# Altium PCB old PT1000_16CH.PCBDOC (part 3 of 5)
Units mil, origin at the board's own origin, x right, y up, seen from the top; angles counter-clockwise.
Board outline 8409.08 x 3937.01 mil, 4 copper layers (TOP, G1, L2, BOT), stack 61.024 mil thick; 557 components, 501 nets, 2175 pads, 416 vias.
Unrouted connection lines stored in the file: 636.
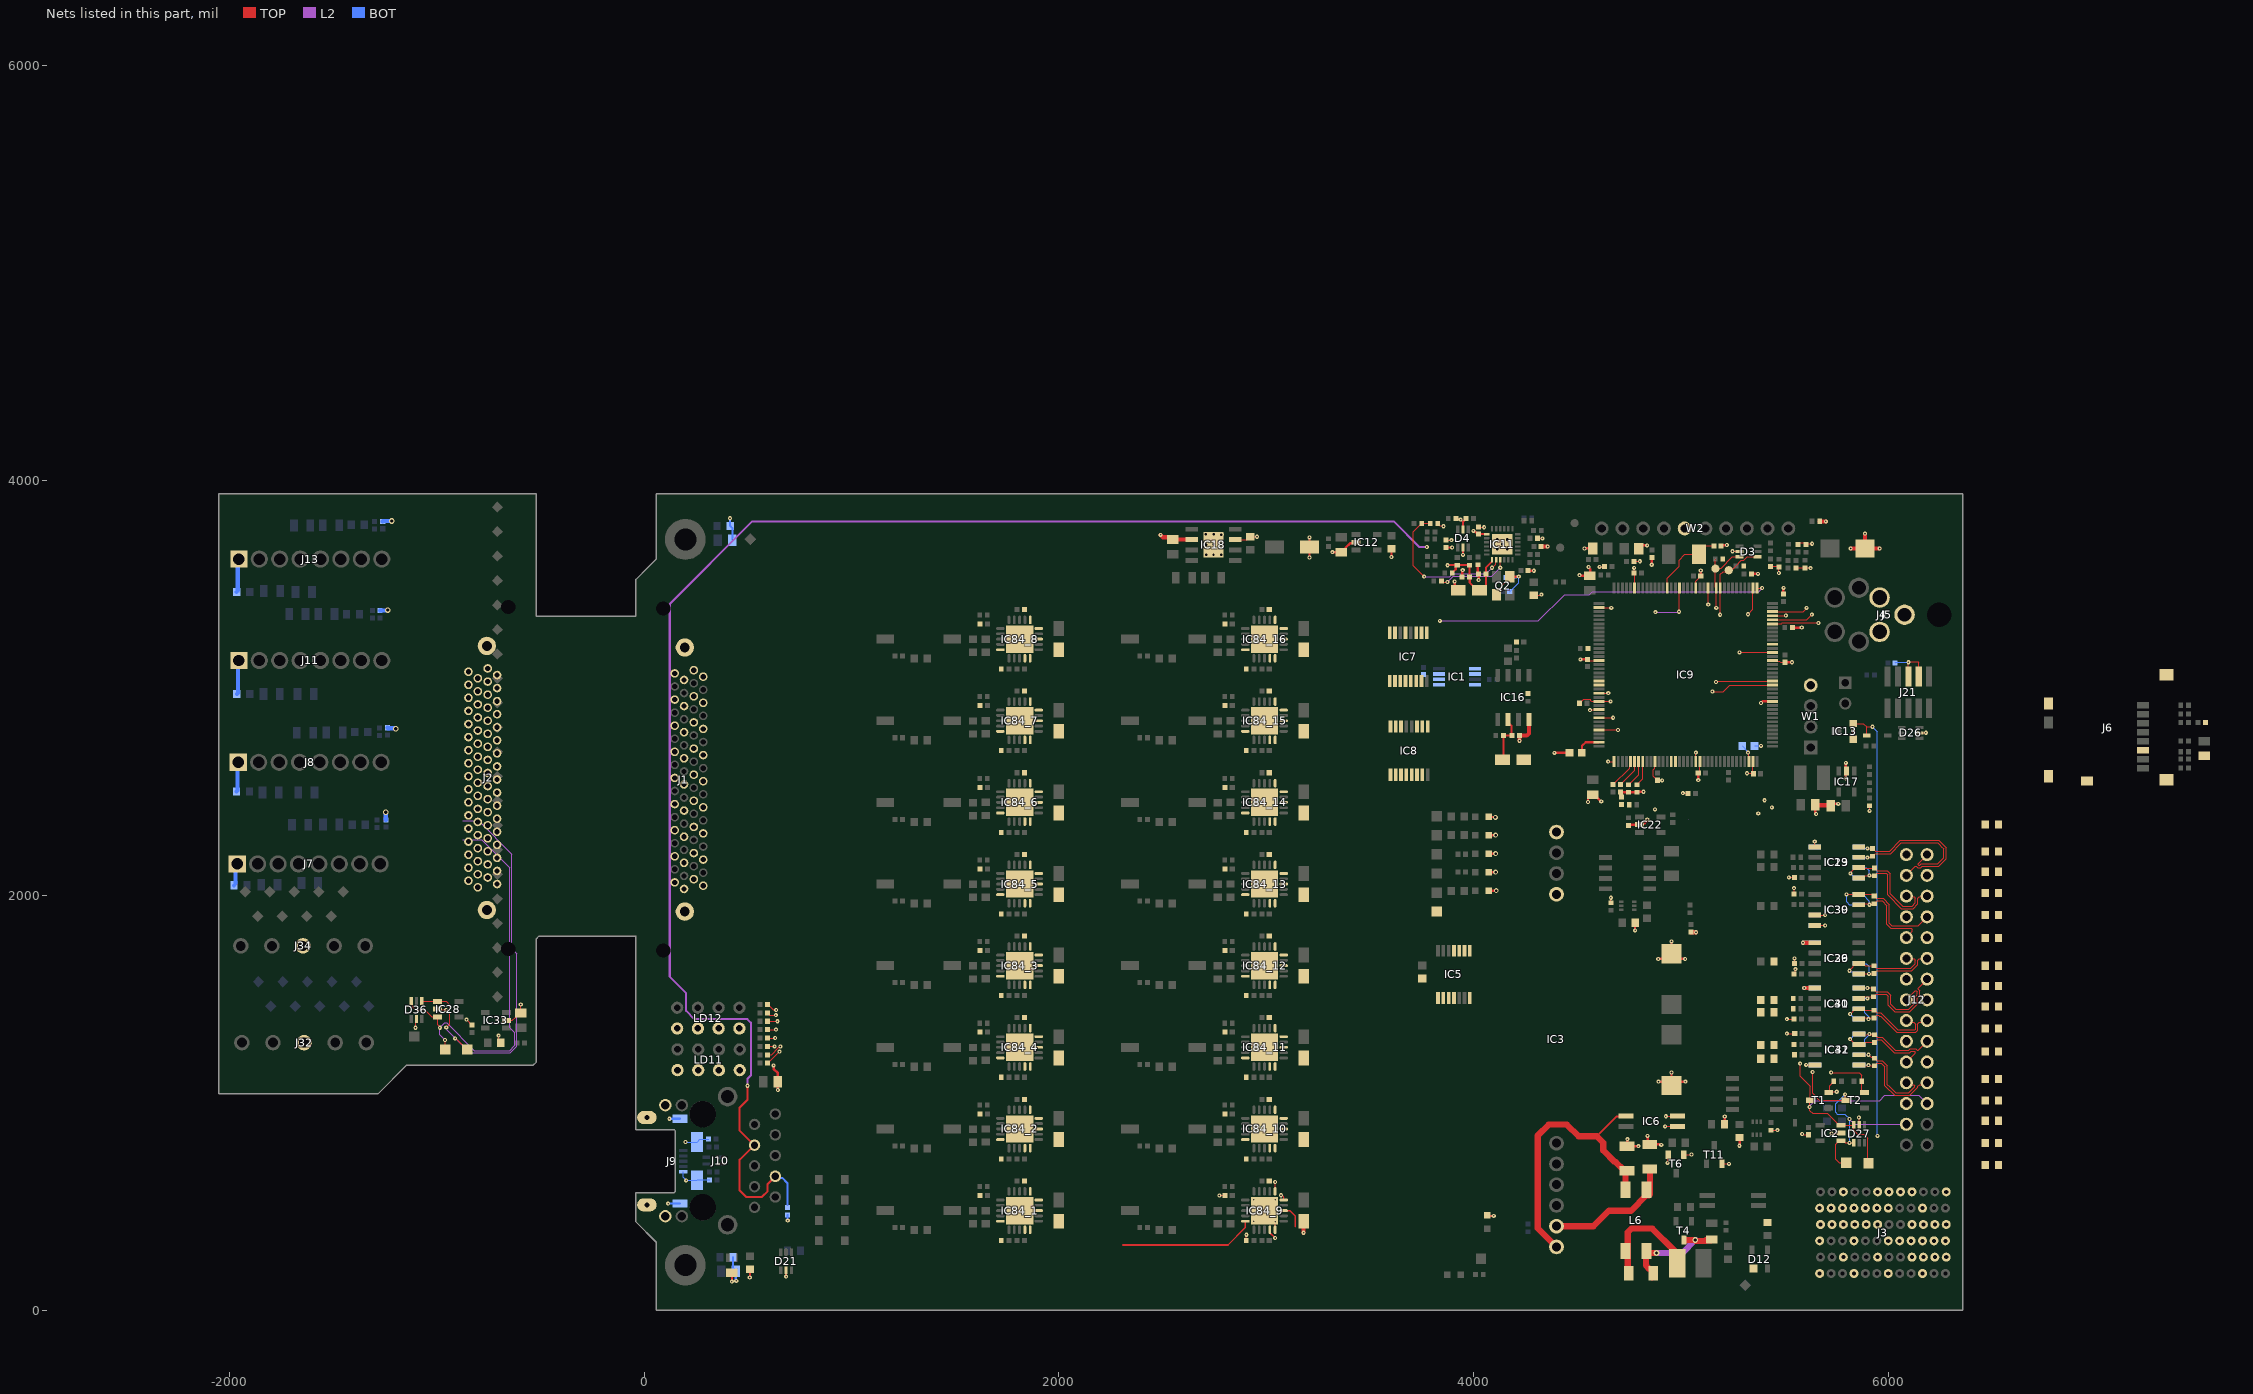
[diagram p5: the nets of this part, all layers, seen from the top]

## Part data (continued)
R86: library part R0603_200R_1%_0.1W_100PPM, "Resistor - 1%", Case=0603, Manufacturer=GENERIC, Manufacturer1 ComponentHeight=0.55mm, Manufacturer1 Example="NIC COMPONENT", Manufacturer1 Part Number=NRC06F2000TRF, Power=0.1W, Tolerance=±1%, Author="CERN DEM JLC", Component Type=Standard, CreateDate=03.12.2007, HelpURL=\\cern.ch\dfs\Applications\Altium\Datasheets\R0603_NIC_NRC.pdf, LatestRevisionDate=13.03.2008, Manufacturer Part Number=R0603_200R_1%_0.1W_100PPM, Mounted=Yes, Part Description="General Purpose Thick Film Chip Resistor", Part Number=R0603_200R_1%_0.1W_100PPM, Pin Count=2, PressFit=No, Sense=No, SMD=Yes, Socket=No, Status=Preferred, TC=±100ppm/°C
R98: library part R0402_1K5_1%_0.0625W_100PPM, "Resistor - 1%", Case=0402, Manufacturer=GENERIC, Manufacturer1 ComponentHeight=0.4mm, Manufacturer1 Example="YAGEO PHYCOMP", Manufacturer1 Part Number=232270671502L, Power=0.0625W, Tolerance=±1%, Author="CERN DEM JLC", Component Type=Standard, CreateDate=03/12/2007, HelpURL=\\cern.ch\dfs\Applications\Altium\Datasheets\R0402_Phycomp_RC0402.pdf, LatestRevisionDate=17/10/2012, Manufacturer Part Number=R0402_1K5_1%_0.0625W_100PPM, Mounted=Yes, Part Description="General Purpose Thick Film Chip Resistor", Part Number=R0402_1K5_1%_0.0625W_100PPM, Pin Count=2, PressFit=No, Sense=No, SMD=Yes, Socket=No, Status="Not Recommended", TC=±100ppm/°C
R102: library part R0402_240K_1%_0.0625W_100PPM, "Resistor - 1%", Case=0402, Manufacturer=GENERIC, Manufacturer1 ComponentHeight=0.4mm, Manufacturer1 Example="YAGEO PHYCOMP", Manufacturer1 Part Number=232270672404L, Power=0.0625W, Tolerance=±1%, Author="CERN DEM JLC", Component Type=Standard, CreateDate=03.12.2007, HelpURL=\\cern.ch\dfs\Applications\Altium\Datasheets\R0402_Phycomp_RC0402.pdf, LatestRevisionDate=17.10.2012, Manufacturer Part Number=R0402_240K_1%_0.0625W_100PPM, Mounted=Yes, Part Description="General Purpose Thick Film Chip Resistor", Part Number=R0402_240K_1%_0.0625W_100PPM, Pin Count=2, PressFit=No, Sense=No, SMD=Yes, Socket=No, Status="Not Recommended", TC=±100ppm/°C
R104: library part R0402_2K_1%_0.0625W_100PPM, "Resistor - 1%", Case=0402, Manufacturer=GENERIC, Manufacturer1 ComponentHeight=0.4mm, Manufacturer1 Example="YAGEO PHYCOMP", Manufacturer1 Part Number=232270672002L, Power=0.0625W, Tolerance=±1%, Author="CERN DEM JLC", Component Type=Standard, CreateDate=03.12.2007, HelpURL=\\cern.ch\dfs\Applications\Altium\Datasheets\R0402_Phycomp_RC0402.pdf, LatestRevisionDate=17.10.2012, Manufacturer Part Number=R0402_2K_1%_0.0625W_100PPM, Mounted=Yes, Part Description="General Purpose Thick Film Chip Resistor", Part Number=R0402_2K_1%_0.0625W_100PPM, Pin Count=2, PressFit=No, Sense=No, SMD=Yes, Socket=No, Status="Not Recommended", TC=±100ppm/°C
R108 R109 R110 R111 R112 R113 R114 R115 R116 R117 R118 R122 R123 R131 R173 R174 R175: library part R0402_100R_1%_0.0625W_100PPM, "Resistor - 1%", Case=0402, Manufacturer=GENERIC, Manufacturer1 ComponentHeight=0.4mm, Manufacturer1 Example="YAGEO PHYCOMP", Manufacturer1 Part Number=232270671001L, Power=0.0625W, Tolerance=±1%, Author="CERN DEM JLC", Component Type=Standard, CreateDate=03.12.2007, HelpURL=\\cern.ch\dfs\Applications\Altium\Datasheets\R0402_Phycomp_RC0402.pdf, LatestRevisionDate=17.10.2012, Manufacturer Part Number=R0402_100R_1%_0.0625W_100PPM, Mounted=Yes, Part Description="General Purpose Thick Film Chip Resistor", Part Number=R0402_100R_1%_0.0625W_100PPM, Pin Count=2, PressFit=No, Sense=No, SMD=Yes, Socket=No, Status="Not Recommended", TC=±100ppm/°C
R157 R158 R159 R160 R163 R164 R165 R167 R168 R169 R171 R172 R176 R177 R178 R179: library part R0805_5K_0.01%_0.2W_0.2PPM_VISHAY_VSMP, "Resistor - 0.01%", Case=0805, Manufacturer="VISHAY PRECISION", Manufacturer1 ComponentHeight=0.64mm, Manufacturer Part Number=Y16245K00000T9R, Power=0.2W, Tolerance=±0.01%, Author="CERN DEM JLC", Component Type=Standard, CreateDate=22.09.2011, HelpURL=\\cern.ch\dfs\Applications\Altium\Datasheets\R0805_VISHAY_VSMP.pdf, LatestRevisionDate=22.09.2011, Mounted=Yes, Part Description="Ultra High Precision Foil Wraparound Surface Mount Chip Resistor", Part Number=R0805_5K_0.01%_0.2W_0.2PPM_VISHAY_VSMP, Pin Count=2, PressFit=No, Sense=No, SMD=Yes, Socket=No, Status=None, TC=±0.2ppm/°C
R348_1 R348_2 R348_3 R348_4 R348_5 R348_6 R348_7 R348_8 R348_9 R348_10 R348_11 R348_12 R348_13 R348_14 R348_15 R348_16: library part RES_0603_442R_0.1%_25ppm, "Resistor - 0.1%", Case=0603, Manufacturer=GENERIC, Manufacturer1 ComponentHeight=0.5mm, Manufacturer1 Example="TYCO HOLSWORTHY", Manufacturer1 Part Number=RP73PF1J442RBTDF, Manufacturer Part Number=R0603_442R_0.1%_0.063W_25PPM, Power=0.063W, Tolerance=±0.1%, Author=GK, Component Type=Standard, CreateDate=03.12.2007, HelpURL=\\cern.ch\dfs\Applications\Altium\Datasheets\R0603_Tyco_RN73.pdf, LatestRevisionDate=13.03.2008, Mounted=Yes, Part Description="Thin Film Chip Resistor", Part Number=R0603_442R_0.1%_0.063W_25PPM, Pin Count=2, PressFit=No, Sense=No, SMD=Yes, Socket=No, Status="Not Recommended", TC=±25ppm
R349_1 R349_2 R349_3 R349_4 R349_5 R349_6 R349_7 R349_8 R349_9 R349_10 R349_11 R349_12 R349_13 R349_14 R349_15 R349_16: library part R0402_22K_1%_0.0625W_100PPM, "Resistor - 1%", Case=0402, Manufacturer=GENERIC, Manufacturer1 ComponentHeight=0.4mm, Manufacturer1 Example="YAGEO PHYCOMP", Manufacturer1 Part Number=232270672203L, Power=0.0625W, Tolerance=±1%, Author="CERN DEM JLC", Component Type=Standard, CreateDate=03.12.2007, HelpURL=\\cern.ch\dfs\Applications\Altium\Datasheets\R0402_Phycomp_RC0402.pdf, LatestRevisionDate=17.10.2012, Manufacturer Part Number=R0402_22K_1%_0.0625W_100PPM, Mounted=Yes, Part Description="General Purpose Thick Film Chip Resistor", Part Number=R0402_22K_1%_0.0625W_100PPM, Pin Count=2, PressFit=No, Sense=No, SMD=Yes, Socket=No, Status="Not Recommended", TC=±100ppm/°C
R350_1 R350_2 R350_3 R350_4 R350_5 R350_6 R350_7 R350_8 R350_9 R350_10 R350_11 R350_12 R350_13 R350_14 R350_15 R350_16: library part RES_0603_3k9_0.1%_10ppm, "Resistor - 0.1%", Case=0603, Manufacturer=GENERIC, Manufacturer1 ComponentHeight=0.5mm, Manufacturer1 Example=Panasonic, Manufacturer1 Part Number=ERA3ARB392V, Manufacturer Part Number=R0603_3k9_0.1%_0.063W_10PPM, Power=0.063W, Tolerance=±0.1%, Author=GK, Component Type=Standard, CreateDate=03.12.2007, HelpURL=\\cern.ch\dfs\Applications\Altium\Datasheets\R0603_Tyco_RN73.pdf, LatestRevisionDate=13.03.2008, Mounted=Yes, Part Description="Thin Film Chip Resistor", Part Number=R0603_3k9_0.1%_0.063W_10PPM, Pin Count=2, PressFit=No, Sense=No, SMD=Yes, Socket=No, Status="Not Recommended", TC=±10ppm
R351_1 R351_2 R351_3 R351_4 R351_5 R351_6 R351_7 R351_8 R351_9 R351_10 R351_11 R351_12 R351_13 R351_14 R351_15 R351_16: library part R0603_10M_1%_0.1W_100PPM, "Resistor - 1%", Case=0603, Manufacturer=GENERIC, Manufacturer1 ComponentHeight=0.55mm, Manufacturer1 Example=VISHAY, Manufacturer1 Part Number=CRCW060310M0FKEA, Power=0.1W, Tolerance=±1%, Author="CERN DEM JLC", Component Type=Standard, CreateDate=12.01.2017, HelpURL="\\cern.ch\dfs\Applications\Altium\Datasheets\R0603_VISHAY_CRCW e3.pdf", LatestRevisionDate=12.01.2017, Manufacturer Part Number=R0603_10M_1%_0.1W_100PPM, Mounted=Yes, Part Description="General Purpose Thick Film Chip Resistor", Part Number=R0603_10M_1%_0.1W_100PPM, Pin Count=2, PressFit=No, Sense=No, SMD=Yes, Socket=No, Status=Preferred, TC=±100ppm/°C
ST1: library part SCHROFF_PANEL_3U_4HP_Thermostat, "Schroff 3HP 4U EUROCARD Panel", Manufacturer=Schroff, Manufacturer Part Number=20818-017, Manufacturer Part Number 2=20848-664
SW1_1 SW1_2 SW1_3 SW1_4 SW1_5 SW1_6 SW1_7 SW1_8 SW1_9 SW1_10 SW1_11 SW1_12 SW1_13 SW1_14 SW1_15 SW1_16: library part SW_OMRON_A6SN-1101, "1 Ways SPST DIP Switch", Manufacturer=OMRON, Manufacturer Part Number=A6SN-1101, Author="CERN DEM JLC", Component Type=Standard, ComponentHeight=4.6mm, CreateDate=25.02.2013, Family=Switch, HelpURL=\\cern.ch\dfs\Applications\Altium\Datasheets\SW_OMRON_A6SN-1101.pdf, LatestRevisionDate=25.02.2013, Mounted=Yes, PackageDescription="Body 4.48x7.5mm, 1 Way SPST Surface-Mounting Slide Switch With Flat Actuator (A6SN Series)", Part Description="1 Way SPST Surface-Mounting Slide Switch With Flat Actuator, Contact Rating 25mA 24VDC", Part Number=SW_OMRON_A6SN-1101, Pin Count=2, PressFit=No, Sense=No, SMD=Yes, Socket=No, Status=None
T1 T2 T4 T6 T11: "N-CHANNEL MOSFET WITH DIODE", Case=SOT23-3, Manufacturer="ON SEMICONDUCTOR", Bonding=No, Component Type=Standard, Mounted=Yes, Pin Count=3, PressFit=No, Sense=No, SMD=Yes, Socket=No
  T1 T2 T6 T11: Author="CERN DEM JLC", ComponentHeight=1.11mm, CreateDate=23.03.2009, Device=BSS138LT1G, HelpURL=\\cern.ch\dfs\Applications\Altium\Datasheets\BSS138LT1G.pdf, LatestRevisionDate=23.03.2009, Manufacturer Part Number=BSS138LT1G, PackageDescription="SOT23 3-Leads, Pitch 0.95mm - Body 1.4x3mm, IPC Medium Density", Part Description="50V 200mA N-Channel Enhancement Mode Field-Effect Transistor", Part Number=BSS138LT1G
  T4: Author="CERN DEM BC", ComponentHeight=1.12mm, ComponentLink1Description="Package Drawing", ComponentLink1URL=\\cern.ch\dfs\Applications\Altium\Datasheets\FDN86246_Package.pdf, CreateDate=10.10.2019, Device=FDN86246, HelpURL=\\cern.ch\dfs\Applications\Altium\Datasheets\FDN86246.pdf, LatestRevisionDate=10.10.2019, Manufacturer Part Number=FDN86246, PackageDescription="SOT, 0.95mm, pitch; 3 pin,1.30mm W X 2.92mm L X 1.12mm H body, IPC Medium Density", Part Description="150V 1.6A N-Channel Power Trench® MOSFET", Part Number=FDN86246
T3 T9: "-30V -19.7A P-Channel MOSFET", Case=SOIC8, Manufacturer="VISHAY SILICONIX", Author="CERN DEM MR", Bonding=No, Component Type=Standard, ComponentHeight=1.75mm, CreateDate=05/10/2016, Device=SI4425DDY-T1-GE3, HelpURL=\\cern.ch\dfs\Applications\Altium\Datasheets\SI4425DDY-T1-GE3.pdf, LatestRevisionDate=05/10/2016, Manufacturer Part Number=SI4425DDY-T1-GE3, Mounted=Yes, PackageDescription="SOIC 8, Pitch 1.27mm - Body 4x5mm, IPC Medium Density", Part Description="-30V -19.7A P-Channel MOSFET", Part Number=SI4425DDY-T1-GE3, Pin Count=8, PressFit=No, Sense=No, SMD=Yes, Socket=No
T5 T10: "45V, 100mA PNP General Purpose Double Transistor", Case=SOT666, Manufacturer="NXP SEMICONDUCTORS", Author="CERN DEM JLC", Bonding=No, Component Type=Standard, ComponentHeight=0.6mm, CreateDate=01/12/2011, Device=BC857BV, HelpURL=\\cern.ch\dfs\Applications\Altium\Datasheets\BC857BV.pdf, LatestRevisionDate=01/12/2011, Manufacturer Part Number=BC857BV, Mounted=Yes, PackageDescription="SOTFL (SOT666), 0.50mm, Pitch; 6 Pin, 1.20mm W X 1.60mm L X 0.60mm H Body, IPC Medium Density", Part Description="-45V -100mA PNP General Purpose Double Transistor", Part Number=BC857BV, Pin Count=6, PressFit=No, Sense=No, SMD=Yes, Socket=No
TP1 TP2 TP3 TP4 TP5 TP6 TP7 TP8 TP9 TP10 TP11 TP15: library part SMD_PAD_1.27X1.27MM, Author="CERN DEM JLC", Component Type="Standard (No BOM)", ComponentHeight=0mm, CreateDate=12.01.2008, Family="Test Point", HelpURL=Undefined, LatestRevisionDate=12.01.2008, Mounted=No, PackageDescription="1.27mm x 1.27mm PCB Copper Area (SMD Test Point)", Part Description="1.27mm x 1.27mm PCB Copper Area (SMD Test Point)", Part Number=SMD_PAD_1.27X1.27MM, Pin Count=1, Sense=No, SMD=Yes, Socket=No, Status=None
W1: library part SAMTEC_HTSW-104-23-L-S, "4 Mini Wire-Wrap Contact Strip Header", Manufacturer=SAMTEC, Manufacturer Part Number=HTSW-104-23-L-S, Author="CERN DEM JLC", ComponentHeight=8.38mm, Component Type=Standard, CreateDate=22/02/2018, Family="Header 4", HelpURL=\\cern.ch\dfs\Applications\Altium\Datasheets\SAMTEC_HTSW-104-23-L-S.pdf, LatestRevisionDate=22/02/2018, Mounted=Yes, Part Description="4 Contacts, Pitch 2.54mm, Single Row  Through Mount Straight Header (Post Lead 5.84mm, Tail Lead 2.92mm, Insulator 2.54mm)", Part Number=SAMTEC_HTSW-104-23-L-S, Pin Count=4, PressFit=No, Sense=No, SMD=No, Socket=No, Status=Preferred, Status Comment="High Temperature"
W2: library part SAMTEC_MTLW-110-07-L-S-250, "10 Mini Wire-Wrap Contact Strip Header", Manufacturer=SAMTEC, Manufacturer Part Number=MTLW-110-07-L-S-250, Author="CERN DEM JLC", ComponentHeight=7.87mm, Component Type=Standard, CreateDate=01.11.2017, Family="Header 10", HelpURL=\\cern.ch\dfs\Applications\Altium\Datasheets\SAMTEC_MTLW-110-07-L-S-250.pdf, LatestRevisionDate=01.11.2017, Mounted=Yes, Part Description="10 Contacts, Pitch 2.54mm, Single Row Through Mount Straight Header (Post Lead = 6.35mm, Tail Lead 3.05mm, Insulator 1.52mm)", Part Number=SAMTEC_MTLW-110-07-L-S-250, Pin Count=10, PressFit=No, Sense=No, SMD=No, Socket=No, Status=None

## Free pads (board coordinates)
  rect 39.37x39.37 smd rot 45 paste-23.62 mask+0: BAL(-1922.36,2017.28) BAL(-1863.31,1899.17) BAL(-1804.25,2017.28) BAL(-1745.2,1899.17) BAL(-1686.14,2017.28) BAL(-1627.09,1899.17) BAL(-1568.03,2017.28) BAL(-1508.98,1899.17) BAL(-1449.92,2017.28)
  rect 39.37x39.37 on Mid1 rot 45 paste-23.62 mask+0: BAL(-1894.8,1566.5) BAL(-1894.8,2014.85) BAL(-1835.75,1448.39) BAL(-1835.75,1896.74) BAL(-1776.69,1566.5) BAL(-1776.69,2014.85) BAL(-1717.64,1448.39) BAL(-1717.64,1896.74) BAL(-1658.58,1566.5) BAL(-1658.58,2014.85) BAL(-1599.53,1448.39) BAL(-1599.53,1896.74) BAL(-1540.47,1566.5) BAL(-1540.47,2014.85) BAL(-1481.42,1448.39) BAL(-1481.42,1896.74) BAL(-1422.36,1566.5) BAL(-1422.36,2014.85) BAL(-1363.31,1448.39) BAL(-1304.25,1566.5) BAL(-1245.2,1448.39)
  rect 39.37x39.37 smd far side rot 45 paste-23.62 mask+0: BAL(-1859.24,1583.48) BAL(-1800.19,1465.37) BAL(-1741.13,1583.48) BAL(-1682.08,1465.37) BAL(-1623.02,1583.48) BAL(-1563.97,1465.37) BAL(-1504.91,1583.48) BAL(-1445.86,1465.37) BAL(-1386.8,1583.48) BAL(-1327.75,1465.37)
  rect 39.37x39.37 on Mid1 rot 135 paste-23.62 mask+0: BAL(-781.06,3485.12) BAL(-781.06,3603.23) BAL(-781.06,3721.34) BAL(-626.72,2320.75) BAL(-626.72,2438.86) BAL(-626.72,2556.97) BAL(-626.72,2675.08) BAL(-626.72,2793.19) BAL(-626.72,2911.3) BAL(-626.72,3029.41) BAL(-626.72,3147.52) BAL(-626.72,3265.63) BAL(-626.72,3383.74) BAL(-626.72,3501.85) BAL(-626.72,3619.96) BAL(-626.72,3738.07) BAL(-626.72,3856.18)
  rect 39.37x39.37 smd rot 135 paste-23.62 mask+0: BAL(-706.69,1628.94) BAL(-706.69,1747.05) BAL(-706.69,1865.16) BAL(-706.69,2101.38) BAL(-706.69,2219.49) BAL(-706.69,2337.6) BAL(-706.69,2573.82) BAL(-706.69,2691.93) BAL(-706.69,2810.04) BAL(-706.69,2928.15) BAL(-706.69,3164.37) BAL(-706.69,3282.48) BAL(-706.69,3400.59) BAL(-706.69,3636.81) BAL(-706.69,3754.92) BAL(-706.69,3873.03) BAL(-706.69,1510.83) BAL(-706.69,1983.27) BAL(-706.69,2455.71) BAL(-706.69,3046.26) BAL(-706.69,3518.7)

## Via types
v1: diameter 19.68, hole 7.87, TOP to BOT, tented both sides, 335 vias
v2: diameter 27.56, hole 15.75, TOP to BOT, tented both sides, 56 vias
v3: diameter 23.62, hole 11.81, TOP to BOT, 10 vias
v4: diameter 19.68, hole 7.87, TOP to BOT, 5 vias
v5: diameter 23.62, hole 11.81, TOP to BOT, tented both sides, 5 vias
v6: diameter 25.98, hole 12.99, TOP to BOT, tented both sides, 5 vias

## Nets (pads, with @x,y where several pads share a name; then routed paths per layer and width w, separated by ;. In a path a pad name is that pad's centre, name@x,y a point inside that pad or via, vN(x,y) a via of type N, cw(c..) or ccw(c..) an arc to the next point about the centre after c; other vN are vias at no path point)
AFE_SCL: B15.1 D3.3 IC9.11 J1.68 R61.2 | length 367.8
  TOP w5: 5165.12,3622.6 5166.61,3621.11 B15.1@5166.61,3585.83 ; v1(5170.58,3386.79) 5170.48,3386.89 5170.48,3481.93 5166.61,3485.81 B15.1@5166.61,3576.24 5169.35,3578.98 5193.79,3578.98 5247.69,3632.87 5256.28,3632.87 D3.3@5282.48,3632.87
AFE_SDA: B14.1 D3.4 IC9.10 J1.34 R53.2 | length 409.6
  TOP w5: v1(5189.35,3353.73) 5189.71,3354.09 5189.71,3481.67 IC9.10@5190.07,3482.03 5190.07,3547.89 5203.89,3561.71 5224.36,3561.71 5237.51,3574.86 5251.73,3574.86 5265.85,3588.98 5265.85,3590.55 5291.37,3616.07 5302.86,3616.07 5319.66,3632.87 D3.4@5369.09,3632.87
AT_EVENT: IC6.4 R67.1 | length 56.5
  TOP w5: v1(4927.56,935.27) 4928.77,936.48 IC6.4@4983.57,936.48
AVDDT_PHY: C77.1 C79.1 C80.2 C81.2 C85.2 C88.2 D4.5 IC11.1 IC11.19 J10.4 J10.7 L7.1 R12.2 R15.2 R18.1 R19.1 | length 8184.8
  TOP w10: v1(498.77,1082.52) 498.77,1014.99 461.11,977.33 461.11,866.07 J10.7@531.32,795.87 ; J10.4@633.04,645.87 595.85,608.68 595.85,574.2 567.52,545.87 492.54,545.87 461.11,577.3 461.11,725.66 J10.7@531.32,795.87 ; C80.2@3868.17,3678.07 v1(3896.99,3678.07) ; v1(3875,3592.52) 3875.1,3592.62 3920.6,3592.62 3914.28,3586.3 3914.28,3572.53 3897.27,3555.51 L7.1@3897.27,3555.12 ; R18.1@3921.48,3592.72 R19.1@3979.9,3592.72 3980,3592.61 3980,3535.53 3981.72,3533.82 3981.72,3508.23 4018.49,3471.46 4040.15,3471.46 4059.75,3491.06 4059.75,3516.99 4059.83,3517.07 4059.83,3580.51 4088.85,3609.53 4088.85,3617.6 IC11.1@4089.36,3618.11 ; R12.2@3921.48,3815.1 3922.19,3814.4 3936.15,3814.4 v1(3938,3812.54) ; v1@3936.15,3809.8 3941.59,3809.8 3949.2,3802.19 ; D4.5@3949.2,3764.96 3949.2,3802.19 ; R15.2@3963.22,3817 3963.22,3816.21 3949.2,3802.19 ; v1(3999.02,3758.48) 4001.64,3758.48 4010.82,3749.3 4017.19,3749.3 C79.1@4024.4,3742.09 IC11.19@4063.77,3742.13 ; J10.7@531.32,795.87 J10.7@533.04,795.87 J10.7@531.32,795.87
  L2 w10: v1(498.77,1082.52) 498.77,1115.38 515.41,1132.01 515.41,1386.4 498.48,1403.33 243.11,1403.33 202.99,1443.45 202.99,1529.29 124.02,1608.27 124.02,3405.63 522.52,3804.13 3615.39,3804.13 3739.48,3680.05 3774.25,3680.05 v1(3774.82,3680.62)
  BOT w10: J10.4@633.04,645.87 640.47,638.43 665.8,638.43 692.02,612.2 692.02,507.66
B_FORCE_N0: J2.5
B_FORCE_N1: J2.9
B_FORCE_N2: J2.13
B_FORCE_N3: J2.17
B_FORCE_N4: J2.21
B_FORCE_N5: J2.25
B_FORCE_N6: J2.29
B_FORCE_N7: J2.33
B_FORCE_N08: J2.39
B_FORCE_N09: J2.43
B_FORCE_N10: J2.47
B_FORCE_N11: J2.51
B_FORCE_N12: J2.55
B_FORCE_N13: J2.59
B_FORCE_N14: J2.63
B_FORCE_N15: J2.67
B_FORCE_P0: J2.2
B_FORCE_P1: J2.6
B_FORCE_P2: J2.10
B_FORCE_P3: J2.14
B_FORCE_P4: J2.18
B_FORCE_P5: J2.22
B_FORCE_P6: J2.26
B_FORCE_P7: J2.30
B_FORCE_P08: J2.36
B_FORCE_P09: J2.40
B_FORCE_P10: J2.44
B_FORCE_P11: J2.48
B_FORCE_P12: J2.52
B_FORCE_P13: J2.56
B_FORCE_P14: J2.60
B_FORCE_P15: J2.64
B_RTDIN_N0: J2.4
B_RTDIN_N1: J2.8
B_RTDIN_N2: J2.12
B_RTDIN_N3: J2.16
B_RTDIN_N4: J2.20
B_RTDIN_N5: J2.24
B_RTDIN_N6: J2.28
B_RTDIN_N7: J2.32
B_RTDIN_N08: J2.38
B_RTDIN_N09: J2.42
B_RTDIN_N10: J2.46
B_RTDIN_N11: J2.50
B_RTDIN_N12: J2.54
B_RTDIN_N13: J2.58
B_RTDIN_N14: J2.62
B_RTDIN_N15: J2.66
B_RTDIN_P0: J2.3
B_RTDIN_P1: J2.7
B_RTDIN_P2: J2.11
B_RTDIN_P3: J2.15
B_RTDIN_P4: J2.19
B_RTDIN_P5: J2.23
B_RTDIN_P6: J2.27
B_RTDIN_P7: J2.31
B_RTDIN_P08: J2.37
B_RTDIN_P09: J2.41
B_RTDIN_P10: J2.45
B_RTDIN_P11: J2.49
B_RTDIN_P12: J2.53
B_RTDIN_P13: J2.57
B_RTDIN_P14: J2.61
B_RTDIN_P15: J2.65
BB_SCL: D36.4 IC28.1 TP5.1 | length 1987.7
  TOP w5: D36.4@-1071.69,1491.14 -1069.72,1489.17 IC28.1@-994.92,1489.17 -954.9,1489.17 -937.08,1471.35 -937.08,1380.11 -951.49,1365.7 -951.82,1365.7 v1(-953.8,1363.72) ; v1(-911,1311) -907.3,1311 TP5.1@-853.19,1256.89
  L2 w5: v1(-953.8,1363.72) -952.03,1363.72 -949.1,1360.79 -949.1,1349.1 v1(-911,1311) -842.25,1242.25 -644.19,1242.25 -613.92,1272.51 -613.92,1718.42 -637,1741.5 -637,2199 -797.38,2359.38 -874.82,2359.38
BB_SDA: D36.6 IC28.3 TP4.1 | length 1930.7
  TOP w5: D36.6@-1122.87,1491.14 -1117.5,1485.77 -1117.5,1464.2 -1101.92,1448.62 -1057.74,1448.62 -1023.49,1414.37 IC28.3@-994.92,1414.37 -994.92,1376.21 -984.4,1365.7 v1(-984.4,1362.2) ; v1(-959.78,1303.29) -958.5,1302.01 TP4.1@-958.5,1256.89
  L2 w5: v1(-959.78,1303.29) -984.4,1327.91 v1(-984.4,1362.2) -961.61,1385 -950.56,1385 -817.81,1252.25 -648.33,1252.25 -623.92,1276.65 -623.92,1338.3 -647,1361.38 -647,2134 -782.22,2269.22 -874.82,2269.22
BGA0: J3.C3
BGA1: J3.F3
BGA2: J3.I3
BGA3: J3.L3
BP_I2C.SCL: IC5.8 IC5.11 J3.B2
BP_I2C.SDA: IC5.1 IC5.4 J3.C2
BP_IO.LVDS_N0: J3.E3 R47.1
BP_IO.LVDS_N1: J3.B3 R49.1
BP_IO.LVDS_N2: J3.C4 R51.1
BP_IO.LVDS_N3: J3.L4 R55.1
BP_IO.LVDS_N4: J3.I4 R57.1
BP_IO.LVDS_N5: J3.K5 R59.1
BP_IO.LVDS_N6: J3.H5 R71.1
BP_IO.LVDS_N7: J3.F6 R74.1
BP_IO.LVDS_P0: J3.D3 R45.1
BP_IO.LVDS_P1: J3.A3 R48.1
BP_IO.LVDS_P2: J3.B4 R50.1
BP_IO.LVDS_P3: J3.K4 R52.1
BP_IO.LVDS_P4: J3.H4 R56.1
BP_IO.LVDS_P5: J3.J5 R58.1
BP_IO.LVDS_P6: J3.G5 R60.1
BP_IO.LVDS_P7: J3.E6 R72.1
CPU_RESETn: D5.1 IC9.13 IC13.2 T6.1 | length 2241.2
  TOP w5: T6.1@5014.38,750.62 v1(5051.35,750.62) ; IC9.13@5131.02,3482.03 5131.45,3481.59 5131.45,3403 v1(5131.89,3402.56) ; IC13.2@5830.26,2829.16 5880.42,2829.16 5895.92,2813.66 ; D5.1@5895.92,2771.89 5895.92,2813.66 ; v1(5923.98,2813.39) 5923.7,2813.66 5895.92,2813.66
  BOT w5: v1(5923.98,2813.39) 5948,2789.36 v1(5948,840.93)
CSN: IC9.73 R40.2 R112.1 | length 54
  TOP w5: v1(4649.48,2645.36) 4649.53,2645.41 IC9.73@4678.26,2645.41 ; R112.1@5547.45,1671.79 5548,1672.33 v1(5548,1696.79)
EEM_GPIO_0: IC9.56 R42.2 R117.1
EEM_GPIO_1: IC9.57 R43.2 R115.1
EEM_GPIO_2: IC9.87 R44.2 R118.1
EEM_GPIO_3: IC9.88 R46.2 R123.1
FORCE_N00: IC84_1.9 J1.5
FORCE_N01: IC84_2.9 J1.9
FORCE_N02: IC84_3.9 J1.13
FORCE_N03: IC84_4.9 J1.17
FORCE_N04: IC84_5.9 J1.21
FORCE_N05: IC84_6.9 J1.25
FORCE_N06: IC84_7.9 J1.29
FORCE_N07: IC84_8.9 J1.33
FORCE_N08: IC84_9.9 J1.39 | length 50.2
  TOP w7.87: IC84_9.9@3017.72,387.8 3017.71,373.88 3043.31,348.29 v1(3043.31,348.15)
FORCE_N09: IC84_10.9 J1.43
FORCE_N10: IC84_11.9 J1.47
FORCE_N11: IC84_12.9 J1.51
FORCE_N12: IC84_13.9 J1.55
FORCE_N13: IC84_14.9 J1.59
FORCE_N14: IC84_15.9 J1.63
FORCE_N15: IC84_16.9 J1.67
FORCE_P00: IC84_1.5 J1.2
FORCE_P01: IC84_2.5 J1.6
FORCE_P02: IC84_3.5 J1.10
FORCE_P03: IC84_4.5 J1.14
FORCE_P04: IC84_5.5 J1.18
FORCE_P05: IC84_6.5 J1.22
FORCE_P06: IC84_7.5 J1.26
FORCE_P07: IC84_8.5 J1.30
FORCE_P08: IC84_9.5 J1.36 | length 656
  TOP w7.87: 2309.05,314.56 2815.8,314.56 2899.61,398.37 IC84_9.5@2899.61,429.13
FORCE_P09: IC84_10.5 J1.40
FORCE_P10: IC84_11.5 J1.44
FORCE_P11: IC84_12.5 J1.48
FORCE_P12: IC84_13.5 J1.52
FORCE_P13: IC84_14.5 J1.56
FORCE_P14: IC84_15.5 J1.60
FORCE_P15: IC84_16.5 J1.64
GND: C1.1 C2.1 C3.2 C4.2 C6.1 C7.1 C9.1 C10.1 C11.2 C17.1 C18.1 C19.2 C21.2 C22.2 C23.2 C24.2 C25.1 C28.1 C29.2 C30.2 C31.2 C32.2 C33.2 C35.2 C36.1 C37.2 C38.2 C64.2 C65.1 C77.2 C78.1 C79.2 C80.1 C81.1 C84.1 C85.1 C87.1 C88.1 C89.2 C91.2 C92.2 C93.2 C94.2 C95.2 C96.2 C97.2 C98.2 C99.2 C100.1 C102.2 C103.2 C108.1 C109.1 C112.2 C113.1 C114.2 C115.1 C126.2 C128.1 C129.1 C130.1 C131.1 C138.1 C139.2 C144.1 C145.1 C146.1 C147.1 C148.1 C151.1 C160.2 C161.2 C224_1.2 C224_2.2 C224_3.2 C224_4.2 C224_5.2 C224_6.2 C224_7.2 C224_8.2 C224_9.2 C224_10.2 C224_11.2 C224_12.2 C224_13.2 C224_14.2 C224_15.2 C224_16.2 C225_1.2 C225_2.2 C225_3.2 C225_4.2 C225_5.2 C225_6.2 C225_7.2 C225_8.2 C225_9.2 C225_10.2 C225_11.2 C225_12.2 C225_13.2 C225_14.2 C225_15.2 C225_16.2 C226_1.1 C226_2.1 C226_3.1 C226_4.1 C226_5.1 C226_6.1 C226_7.1 C226_8.1 C226_9.1 C226_10.1 C226_11.1 C226_12.1 C226_13.1 C226_14.1 C226_15.1 C226_16.1 D3.2 D4.2 D12.1 D21.2 D24.2 D25.2 D26.2 D27.2 D36.2 IC1.4 IC1.5 IC1.6 IC1.7 IC2.2 IC3.7 IC3.10 IC5.7 IC6.3 IC7.8 IC8.8 IC9.16 IC9.31 IC9.38 IC9.51 IC9.61 IC9.83 IC9.94 IC9.107 IC9.120 IC9.130 IC11.25 IC12.2 IC13.1 IC16.4 IC17.2 IC18.3 IC18.6 IC18.9 IC19.5 IC22.2 IC23.4 IC28.2 IC29.5 IC30.3 IC30.4 IC31.5 IC32.4 IC33.2 IC36.4 IC39.5 IC40.4 IC41.5 IC84_1.10 IC84_1.15 IC84_1.16 IC84_1.21 IC84_2.10 IC84_2.15 IC84_2.16 IC84_2.21 IC84_3.10 IC84_3.15 IC84_3.16 IC84_3.21 IC84_4.10 IC84_4.15 IC84_4.16 IC84_4.21 IC84_5.10 IC84_5.15 IC84_5.16 IC84_5.21 IC84_6.10 IC84_6.15 IC84_6.16 IC84_6.21 IC84_7.10 IC84_7.15 IC84_7.16 IC84_7.21 IC84_8.10 IC84_8.15 IC84_8.16 IC84_8.21 IC84_9.10 IC84_9.15 IC84_9.16 IC84_9.21 IC84_10.10 IC84_10.15 IC84_10.16 IC84_10.21 IC84_11.10 IC84_11.15 IC84_11.16 IC84_11.21 IC84_12.10 IC84_12.15 IC84_12.16 IC84_12.21 IC84_13.10 IC84_13.15 IC84_13.16 IC84_13.21 IC84_14.10 IC84_14.15 IC84_14.16 IC84_14.21 IC84_15.10 IC84_15.15 IC84_15.16 IC84_15.21 IC84_16.10 IC84_16.15 IC84_16.16 IC84_16.21 J1.1 J1.35 J1.69 J1.70 J2.1 J2.34 J2.35 J2.68 J2.69 J2.70 J3.A2 J3.A4 J3.A6 J3.C1 J3.C5 J3.D2 J3.D4 J3.D6 J3.F1 J3.F5 J3.G2 J3.G4 J3.G6 J3.I1 J3.I5 J3.J2 J3.J4 J3.J6 J3.L1 J3.L5 J4.1 J5.1 J5.2 J6.6 J6.9 J6.10 J6.11 J6.13 J6.14 J7.1 J8.1 J9.5 J9.6 J9.7 J9.8 J9.9 J9.10 J9.11 J10.L2 J10.L4 J11.1 J12.1 J12.4 J12.7 J12.10 J12.13 J12.16 J12.19 J12.22 J12.25 J13.1 J21.3 J21.5 J32.3 J34.3 LD2.1 LD3.1 LD4.1 LD6.1 LD9.1 LD10.1 LD11.1 LD11.3 LD11.5 LD11.7 LD12.1 LD12.3 LD12.5 LD12.7 Q2.2 Q2.4 R8.2 R25.2 R26.2 R28.2 R31.1 R32.2 R36_1.1 R36_2.1 R36_3.1 R36_4.1 R36_5.1 R36_6.1 R36_7.1 R36_8.1 R36_9.1 R36_10.1 R36_11.1 R36_12.1 R36_13.1 R36_14.1 R36_15.1 R36_16.1 R63.2 R68.1 R75.2 R81.2 R84.2 R85.1 R86.1 R93.2 R104.1 R106.2 R119.2 R125.1 R135.1 R154.1 R156.1 R162.1 R170.1 R181.1 R195.1 R196.1 R197.1 R220.1 R223.1 T6.2 T11.2 TP9.1 W1.4 W2.5 | length 8418
  TOP w5: v1(-1101.92,1362.2) -1101.92,1399.89 D36.2@-1097.28,1404.53 ; IC28.2@-994.92,1451.77 -991.77,1448.62 v1(-954.42,1448.62) ; v1(-856,1401) -856,1400.45 C138.1@-830.55,1375 ; v1(-700.96,1323.99) -700.96,1299.54 C151.1@-690.79,1289.37 ; IC33.2@-663.23,1397.64 -635.06,1397.64 -619.39,1413.31 -619.39,1414.9 -601.22,1433.07 C139.2@-594.33,1433.07 v1(-594.33,1474.19) ; v1(509.84,157.48) v1@511.81,159.45 ; v1(2774.68,553.15) C226_9.1@2801.18,553.15 ; IC18.3@2850.39,3715.94 2909.45,3715.94 C113.1@2923.23,3729.72 v1(2955.72,3729.72) ; R36_9.1@2903.94,335.83 2904.87,336.76 v1(2904.87,363.86) ; IC84_9.10@3043.31,387.8 IC84_9.21@3043.31,429.13 ; v1@3078.93,551.6 3084.64,545.89 IC84_9.15@3084.65,531.5 ; D25.2@3209.13,3679.61 D25.2@3209.64,3680.11 D25.2@3209.13,3680.62 ; C115.1@3603.54,3670.7 C115.1@3604.43,3671.59 ; R28.2@3827.86,3793.31 3827.86,3792.53 3836.78,3783.61 3847.91,3783.61 3851.11,3780.41 v1(3855.08,3780.41) ; C80.1@3868.17,3713.5 3868.36,3713.32 v1(3892.89,3713.32) ; C77.2@3909,3489.41 C77.2@3926.96,3471.46 ; v1@3944.67,3561.49 3948.02,3564.83 v1(3948.02,3568.81) ; C79.2@4024.4,3777.52 4026.14,3775.79 v1(4051.28,3775.79) ; Q2.4@4111.01,3450.79 4131.15,3470.93 4131.15,3489.63 4174,3532.48 Q2.2@4174,3537.4 ; C100.1@4263.57,3567.91 C100.1@4265.82,3565.67 ; C87.1@4290.15,3447.83 4324.2,3447.83 v1(4327.15,3450.79) ; R25.2@4308.89,3722.44 4309.44,3721.89 v1(4332.19,3721.89) ; C95.2@4511.1,2926.81 4530.8,2946.52 4561.84,2946.52 4566.23,2942.13 4566.23,2939.9 4570.37,2935.77 IC9.61@4604.44,2935.77 4604.52,2935.85 4661.34,2935.85 v1(4661.42,2935.93) ; C30.2@4549.32,3138.52 4555.23,3132.62 IC9.51@4604.44,3132.62 ; C35.2@4552,2468.05 4570.17,2486.22 C35.2@4575.09,2486.22 C35.2@4581.98,2486.22 ; IC9.38@4604.44,3388.52 4606.36,3386.61 v1@4664.17,3386.61 ; v1(4608.05,3584.6) 4629.74,3584.6 C23.2@4631.76,3586.61 ; v1@4614.2,2454 v1(4616.07,2454) ; R85.1@4662.02,1965.28 v1(4662.02,1988.96) ; C24.2@4773.85,3611.49 v1(4802.07,3611.49) ; C31.2@4774.72,3555.12 v1(4774.72,3579.46) ; IC9.31@4776.69,3482.03 C31.2@4776.69,3544.75 ; C25.1@4797.29,3671.71 C25.1@4799.25,3673.68 ; IC9.83@4875.11,2645.41 4875.11,2613.52 4872.18,2610.59 4870.93,2610.59 4866.54,2606.2 4866.54,2575.16 4878,2563.69 C96.2@4878,2556 ; C96.2@4886.24,2555.45 4886.69,2555 v1(4909.86,2555) ; v1(4924.05,886.48) IC6.3@4983.57,886.48 ; v1(4936.15,710.7) 4936.15,747.19 T6.2@4939.58,750.62 ; v1(5009.47,2493.42) 5032.24,2493.42 R75.2@5033.77,2491.88 ; IC9.16@5071.96,3482.03 5071.96,3515.91 C33.2@5095.88,3539.83 ; C97.2@5083.77,2591.28 5091.65,2599.15 IC9.94@5091.65,2645.41 ; T11.2@5198.31,705.56 v1(5231.77,705.56) ; v1@5210.63,933.57 v1(5211.36,934.3) ; v1(5248.94,3659.97) D3.2@5282.48,3659.97 ; v1(5282.01,793.24) v1@5283.07,794.3 ; D3.2@5282.48,3658.46 D3.2@5293.31,3658.46 ; v1(5319.09,2589.15) 5347.31,2589.15 C98.2@5349.52,2586.94 5347.55,2588.91 IC9.107@5347.55,2645.41 ; C126.2@5433.07,3586.61 5469.68,3586.61 R93.2@5472.44,3583.86 v1(5472.44,3555.12) ; R196.1@5433.85,868.36 v1(5464.93,868.36) ; IC9.130@5441.06,3132.62 5443.07,3130.6 5475.13,3130.6 5480.99,3124.74 C32.2@5503.06,3124.74 ; v1@5494.21,3482.66 v1(5495.19,3483.65) ; v1(5511.23,1333.65) C145.1@5549.03,1333.65 ; v1(5511.23,1403.79) C147.1@5545.74,1403.79 ; v1(5520.58,2087.61) C148.1@5547.7,2087.61 ; C144.1@5545.73,1621.79 5552.27,1628.33 v1(5552.27,1644.74) ; C146.1@5545.74,2006.6 v1(5545.74,2035.26) ; C93.2@5555.78,3579.46 R84.2@5599.35,3579.46 5625.19,3579.46 v1(5625.98,3578.67) ; C92.2@5565.52,3692.29 5574.43,3701.2 5595.22,3701.2 R81.2@5604.13,3692.29 5607.84,3695.99 v1(5632.95,3695.99) ; v1@5581.76,3291.34 v1(5582.86,3292.44) ; v1(5584.46,849.4) 5587.72,846.15 C2.1@5615.89,846.15 ; v1(5604,1183) 5605.11,1181.89 IC32.4@5646.65,1181.89 ; IC30.4@5645.41,1855.38 v1(5695.7,1855.37) ; IC30.3@5645.41,1905.38 v1(5695.7,1905.38) ; IC19.5@5645.42,2234.29 v1(5645.42,2259.84) ; v1@5648.9,2399.2 v1@5652.18,2395.91 ; R125.1@5669.23,3804.39 R125.1@5669.49,3804.13 ; C78.1@5723.29,2433.2 5724.59,2431.9 C78.1@5734.43,2441.74 ; v1(5726,853) 5727.42,854.42 IC2.2@5772.38,854.42 ; IC13.1@5830.26,2754.16 v1(5830.26,2795.74) ; v1(5858.01,929.54) 5859.72,927.83 D27.2@5859.72,893.79 ; v1(5910.44,2408.27) R104.1@5910.44,2433.2 ; J21.5@6096.85,3051.18 v1(6096.85,3124.74) ; v1@6100,3129 6102.22,3126.78 6143.92,3126.78 6146.85,3123.85 J21.3@6146.85,3051.18 ; D26.2@6138.99,2783.99 6139.68,2784.67 v1(6181.44,2784.67)